# Altium PCB Audio_Blade_Mic_Array.PcbDoc (part 1 of 4) (continued)
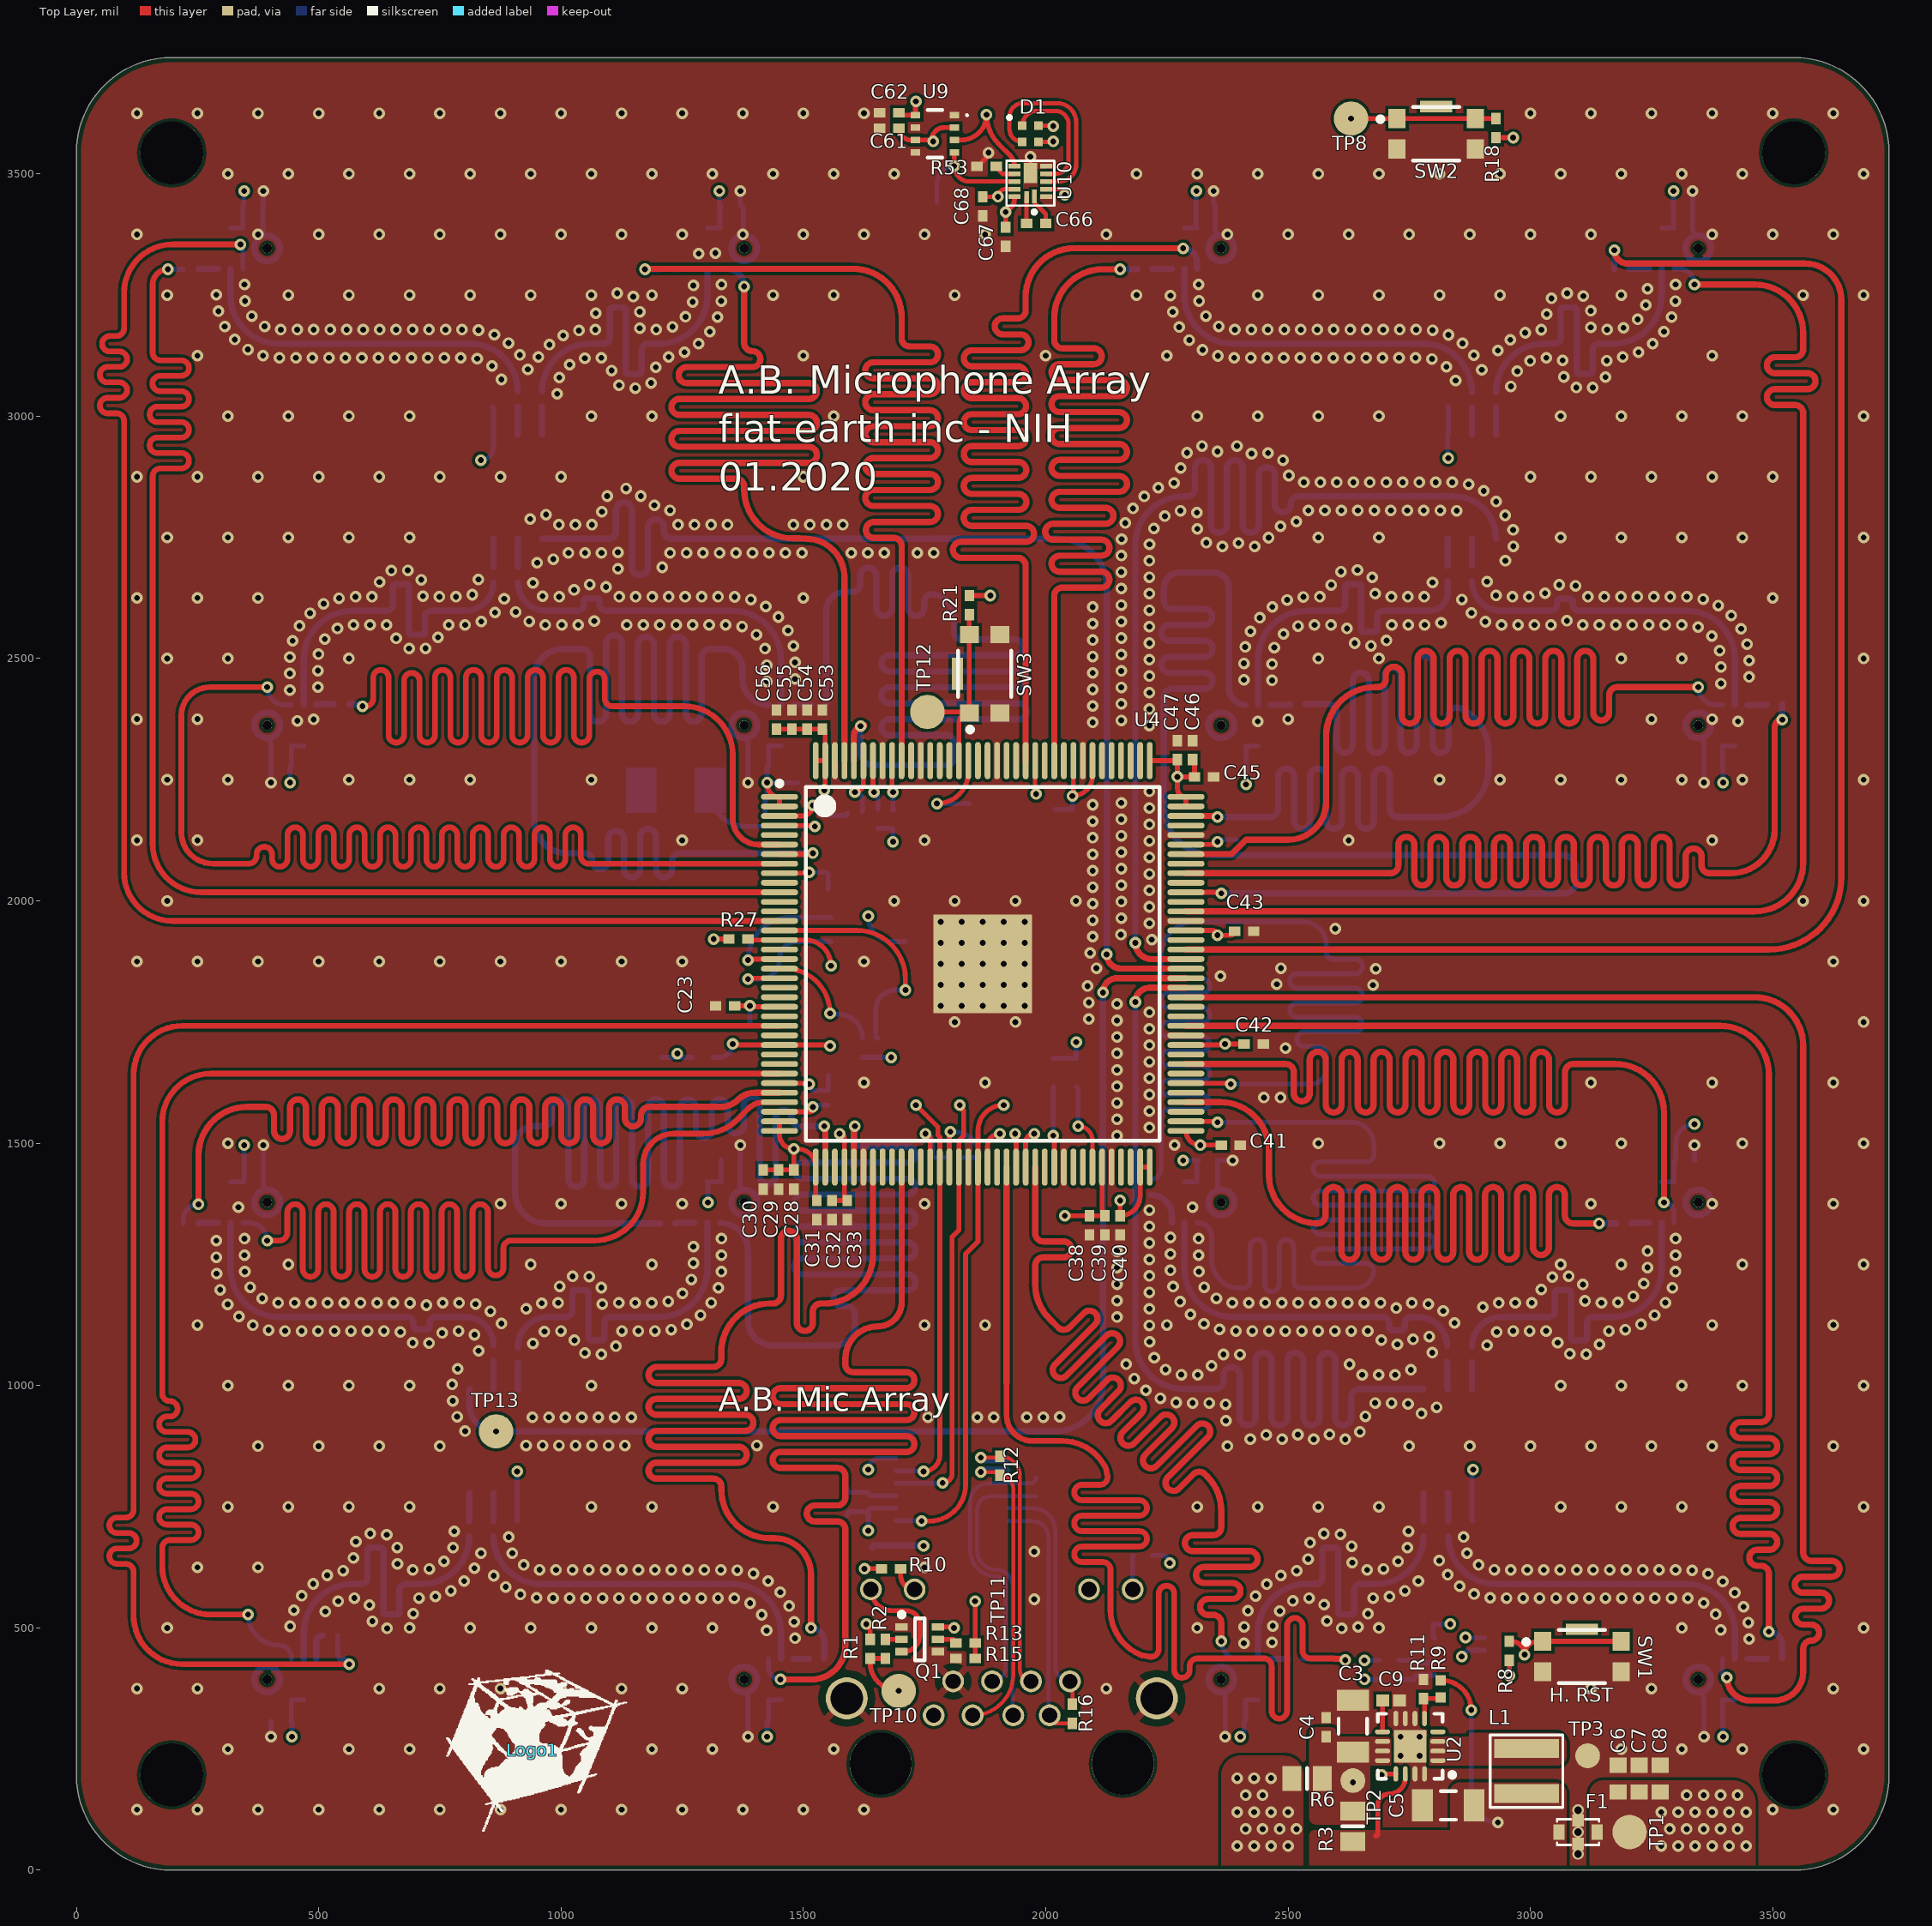
[diagram p0: Top Layer view]
## Classes and differential pairs
net class "Mic Clock Buffer": MIC_CLK_1 MIC_CLK_2 MIC_CLK_3 MIC_CLK_4
net class "Mic WS": MIC_WS_1 MIC_WS_2 MIC_WS_3 MIC_WS_4 MIC_WS_5 MIC_WS_6 MIC_WS_7 MIC_WS_8 MIC_WS_9 MIC_WS_10 MIC_WS_11 MIC_WS_12 MIC_WS_13 MIC_WS_14 MIC_WS_15 MIC_WS_16
net class "Mic SD": MIC_SD_1 MIC_SD_2 MIC_SD_3 MIC_SD_4 MIC_SD_5 MIC_SD_6 MIC_SD_7 MIC_SD_8 MIC_SD_9 MIC_SD_10 MIC_SD_11 MIC_SD_12 MIC_SD_13 MIC_SD_14 MIC_SD_15 MIC_SD_16
net class "Mic Clock": MIC_SCK_1 MIC_SCK_2 MIC_SCK_3 MIC_SCK_4 MIC_SCK_5 MIC_SCK_6 MIC_SCK_7 MIC_SCK_8 MIC_SCK_9 MIC_SCK_10 MIC_SCK_11 MIC_SCK_12 MIC_SCK_13 MIC_SCK_14 MIC_SCK_15 MIC_SCK_16
component class "RJ45 and Power Regulation": C1 C2 C3 C4 C5 C6 C7 C8 C9 C10 C11 F1 J1 L1 Q1 R1 R2 R3 R4 R5 R6 R7 R8 R9 R10 R11 R12 R13 R14 R15 R16 R17 SW1 TP1 TP2 TP3 TP4 TP5 TP6 U1 U2 U3
component class Pepherials: C58 C59 C60 C61 C62 C63 C64 C65 C66 C67 C68 C69 C70 C71 C72 C73 C74 C75 C76 C77 C78 D1 MK1 MK2 MK3 MK4 MK5 MK6 MK7 MK8 MK9 MK10 MK11 MK12 MK13 MK14 MK15 MK16 R44 R45 R46 R47 R48 R49 R50 R51 R52 R53 R54 R55 R56 R57 R58 R59 R60 U9 U10
component class "CPLD: Power & GPIO": C17 C18 C19 C20 C21 C22 C23 C24 C25 C26 C27 C28 C29 C30 C31 C32 C33 C34 C35 C36 C37 C38 C39 C40 C41 C42 C43 C44 C45 C46 C47 C48 C49 C50 C51 C52 C53 C54 C55 C56 C57 FB1 R41 R42 R43 TP15 TP16
component class "CPLD: JTAG & GPIO": C12 C13 C14 C15 C16 P1 R18 R19 R20 R21 R22 R23 R24 R25 R26 R27 R28 R29 R30 R31 R32 R33 R34 R35 R36 R37 R38 R39 R40 SW2 SW3 TP7 TP8 TP9 TP10 TP11 TP12 TP13 TP14 U4 U5 U6 U7 U8 Y1
component class "Connection Diagram": Logo1
differential pair RJ45_SDO: +RJ45_SDO_p -RJ45_SDO_n
differential pair RJ45_SDI: +RJ45_SDI_p -RJ45_SDI_n
differential pair RJ45_SCK: +RJ45_SCK_p -RJ45_SCK_n

## Components (designator, comment, footprint, x,y, rotation, side; value= is the part's Value field where it differs from the comment)
C1 "C1005X7R1H104K050BE" 2-0402_L 2779.53,507.87 r180 bottom
C2 "C1005X7R1H104K050BE" 2-0402_L 2759.84,413.39 r90 bottom
C3 "C3216X5R1V226M160AC" C1206 2633.86,297.24 r270 top
C4 "C1005X7R1H104K050BE" 2-0402_L 2578.74,295.28 r270 top
C5 "C3216X5R1V226M160AC" C1206 2830.71,133.86 r0 top
C6 "JMK107ABJ106MAHT" 3-0603_L 3181.1,188.98 r270 top
C7 "JMK107ABJ106MAHT" 3-0603_L 3224.41,188.98 r270 top
C8 "JMK107ABJ106MAHT" 3-0603_L 3267.72,188.98 r270 top
C9 "04025C332KAT2A" CAPC1005X56X25NL10T15 2712.6,350.39 r180 top
C10 "UMK105B7104KVHF" 2-0402_L 1633.86,759.84 r270 bottom
C11 "C0603C472K8RACTU" 3-0603_L 1590.55,759.84 r270 bottom
C12 "UMK105B7104KVHF" 2-0402_L 1208.66,1696.85 r270 bottom
C13 "UMK105B7104KVHF" 2-0402_L 2901.57,720.47 r180 bottom
C14 "UMK105B7104KVHF" 2-0402_L 929.13,720.47 r180 bottom
C15 "UMK105B7104KVHF" 2-0402_L 838.58,3019.69 r0 bottom
C16 "UMK105B7104KVHF" 2-0402_L 2811.02,3019.69 r0 bottom
C17 "UMK105B7104KVHF" 2-0402_L 1456.69,2263.78 r90 bottom
C18 "UMK105B7104KVHF" 2-0402_L 1488.19,2263.78 r90 bottom
C19 "UMK105B7104KVHF" 2-0402_L 1401.57,2208.66 r180 bottom
C20 "UMK105B7104KVHF" 2-0402_L 1401.57,2177.17 r180 bottom
C21 "UMK105B7104KVHF" 2-0402_L 1570.87,2055.12 r0 bottom
C22 "UMK105B7104KVHF" 2-0402_L 1570.87,2023.62 r0 bottom
C23 "UMK105B7104KVHF" 2-0402_L 1338.58,1783.46 r180 top
C24 "UMK105B7104KVHF" 2-0402_L 1389.76,1728.35 r270 bottom
C25 "UMK105B7104KVHF" 2-0402_L 1570.84,1608.47 r0 bottom
C26 "UMK105B7104KVHF" 2-0402_L 1570.84,1639.97 r0 bottom
C27 "UMK105B7104KVHF" 2-0402_L 1570.87,1578.74 r0 bottom
C28 "UMK105B7104KVHF" 2-0402_L 1480.32,1425.2 r270 top
C29 "UMK105B7104KVHF" 2-0402_L 1448.82,1425.2 r270 top
C30 "UMK105B7104KVHF" 2-0402_L 1417.32,1425.2 r270 top
C31 "UMK105B7104KVHF" 2-0402_L 1527.56,1362.2 r270 top
C32 "UMK105B7104KVHF" 2-0402_L 1559.06,1362.2 r270 top
C33 "UMK105B7104KVHF" 2-0402_L 1590.55,1362.2 r270 top
C34 "UMK105B7104KVHF" 2-0402_L 1765.75,1450.79 r270 bottom
C35 "UMK105B7104KVHF" 2-0402_L 1797.24,1450.79 r270 bottom
C36 "UMK105B7104KVHF" 2-0402_L 1828.74,1450.79 r270 bottom
C37 "UMK105B7104KVHF" 2-0402_L 1864.17,1450.79 r270 bottom
C38 "UMK105B7104KVHF" 2-0402_L 2090.55,1330.71 r270 top
C39 "UMK105B7104KVHF" 2-0402_L 2122.05,1330.71 r270 top
C40 "UMK105B7104KVHF" 2-0402_L 2153.54,1330.71 r270 top
C41 "UMK105B7104KVHF" 2-0402_L 2381.89,1496.06 r0 top
C42 "UMK105B7104KVHF" 2-0402_L 2429.13,1704.72 r0 top
C43 "UMK105B7104KVHF" 2-0402_L 2409.45,1937.01 r0 top
C44 "UMK105B7104KVHF" 2-0402_L 2413.39,2125.98 r0 bottom
C45 "UMK105B7104KVHF" 2-0402_L 2326.77,2255.91 r0 top
C46 "UMK105B7104KVHF" 2-0402_L 2303.15,2311.02 r90 top
C47 "UMK105B7104KVHF" 2-0402_L 2271.65,2311.02 r90 top
C48 "UMK105B7104KVHF" 2-0402_L 2055.12,2169.29 r270 bottom
C49 "UMK105B7104KVHF" 2-0402_L 2019.68,2169.29 r270 bottom
C50 "UMK105B7104KVHF" 2-0402_L 1842.52,2181.1 r270 bottom
C51 "UMK105B7104KVHF" 2-0402_L 1811.02,2181.1 r270 bottom
C52 "UMK105B7104KVHF" 2-0402_L 1622.05,2165.35 r270 bottom
C53 "UMK105B7104KVHF" 2-0402_L 1539.37,2374.02 r90 top
C54 "UMK105B7104KVHF" 2-0402_L 1507.87,2374.02 r90 top
C55 "UMK105B7104KVHF" 2-0402_L 1476.38,2374.02 r90 top
C56 "UMK105B7104KVHF" 2-0402_L 1444.88,2374.02 r90 top
C57 "UMK105B7104KVHF" 2-0402_L 1590.55,2161.42 r270 bottom
C58 "UMK105B7104KVHF" 2-0402_L 421.26,307.09 r0 bottom
C59 "UMK105B7104KVHF" 2-0402_L 1405.51,307.09 r0 bottom
C60 "UMK105B7104KVHF" 2-0402_L 2389.76,307.09 r0 bottom
C61 "UMK105B7104KVHF" 2-0402_L 1677.17,3594.49 r0 top
C62 "UMK105B7104KVHF" 2-0402_L 1677.17,3625.98 r0 top
C63 "UMK105B7104KVHF" 2-0402_L 3377.95,307.09 r0 bottom
C64 "UMK105B7104KVHF" 2-0402_L 366.14,1464.57 r180 bottom
C65 "UMK105B7104KVHF" 2-0402_L 1349.69,1465 r180 bottom
C66 "C1005X7R1E224K050BB" 2-0402_L 1980.32,3397.64 r180 top
C67 "CGB2A1X5R1A105K033BC" 2-0402_L 1917.32,3370.08 r90 top
C68 "CGB2A1X5R1A105K033BC" 2-0402_L 1870.08,3433.07 r270 top
C69 "UMK105B7104KVHF" 2-0402_L 2334.65,1464.57 r180 bottom
C70 "UMK105B7104KVHF" 2-0402_L 3320,1465 r180 bottom
C71 "UMK105B7104KVHF" 2-0402_L 421.26,2275.59 r0 bottom
C72 "UMK105B7104KVHF" 2-0402_L 1405.51,2275.59 r0 bottom
C73 "UMK105B7104KVHF" 2-0402_L 2393.7,2275.59 r0 bottom
C74 "UMK105B7104KVHF" 2-0402_L 3377.95,2275.59 r0 bottom
C75 "UMK105B7104KVHF" 2-0402_L 365,3435 r180 bottom
C76 "UMK105B7104KVHF" 2-0402_L 1350,3435 r180 bottom
C77 "UMK105B7104KVHF" 2-0402_L 2330,3435 r180 bottom
C78 "UMK105B7104KVHF" 2-0402_L 3315,3435 r180 bottom
D1 "LED TRI TOP FIRING 1.0 X 1.0" CL-505S 1968.5,3582.68 r0 top
F1 "NFM21PC" NFM21PC 3098.43,78.74 r0 top
FB1 "BLM31PG500SN1L" MURA-BLM31-B35-CHIP-2_V1 1236.22,2228.35 r0 bottom
J1 "CONN MOD JACK 8P8C R/A SHIELDED" RJ45 1909.45,389.76 r180 bottom
L1 "2.2uH Ind" XFL4020 2992.13,204.72 r270 top
Logo1 "FE_LOGO" feLogo_medium_silk 940.94,248.03 r0 top
MK1 "ICS-52000" MIC_ICS-52000 393.7,393.7 r90 bottom
MK2 "ICS-52000" MIC_ICS-52000 1377.95,393.7 r90 bottom
MK3 "ICS-52000" MIC_ICS-52000 2362.2,393.7 r90 bottom
MK4 "ICS-52000" MIC_ICS-52000 3346.46,393.7 r90 bottom
MK5 "ICS-52000" MIC_ICS-52000 393.7,1377.95 r270 bottom
MK6 "ICS-52000" MIC_ICS-52000 1377.95,1377.95 r270 bottom
MK7 "ICS-52000" MIC_ICS-52000 2362.2,1377.95 r270 bottom
MK8 "ICS-52000" MIC_ICS-52000 3346.46,1377.95 r270 bottom
MK9 "ICS-52000" MIC_ICS-52000 393.7,2362.2 r90 bottom
MK10 "ICS-52000" MIC_ICS-52000 1377.95,2362.2 r90 bottom
MK11 "ICS-52000" MIC_ICS-52000 2362.2,2362.2 r90 bottom
MK12 "ICS-52000" MIC_ICS-52000 3346.46,2362.2 r90 bottom
MK13 "ICS-52000" MIC_ICS-52000 393.7,3346.46 r270 bottom
MK14 "ICS-52000" MIC_ICS-52000 1377.95,3346.46 r270 bottom
MK15 "ICS-52000" MIC_ICS-52000 2362.2,3346.46 r270 bottom
MK16 "ICS-52000" MIC_ICS-52000 3346.46,3346.46 r270 bottom
P1 "FTSH-105-01-F-DV" HDR_2x5-SMD-1.27mm-K 1633.86,1866.14 r270 bottom
Q1 "MBT3904DW1T1" ADI-KS-6_SC70_L 1740.16,476.38 r0 top
R1 "ERJ-2RKF1003X" 2-0402_R_L 1637.8,456.69 r90 top
R2 "ERJ-2RKF1002X" 2-0402_R_L 1669.29,456.69 r270 top
R3 "ERJ-6GEY0R00V" 6-0805_R_L 2633.86,90.55 r270 top
R4 "ERJ-2RKF10R0X" 2-0402_R_L 2708.66,393.7 r0 bottom
R5 "ERJ-2RKF10R0X" 2-0402_R_L 2708.66,433.07 r0 bottom
R6 "ERJ-6DSFR10V" 6-0805_R_L 2539.37,188.98 r180 top
R7 "ERJ-2RKF4990X" 2-0402_R_L 2200.79,649.61 r0 bottom
R8 "ERJ-2RKF1002X" 2-0402_R_L 2956.69,452.76 r270 top
R9 "ERJ-2RKF2873X" RESC1005X40X25NL05T05 2814.96,374.02 r90 top
R10 "ERJ-2RKF4990X" 2-0402_R_L 1681.1,622.05 r180 top
R11 "ERJ-2RKF1003X" 2-0402_R_L 2779.53,374.02 r270 top
R12 "ERJ-2RKF1000X" 2-0402_R_L 1905.51,834.65 r90 top
R13 "ERJ-2RKF1002X" 2-0402_R_L 1834.65,468.5 r0 top
R14 "ERJ-2RKF1000X" 2-0402_R_L 1980.32,791.34 r90 bottom
R15 "ERJ-2RKF1003X" 2-0402_R_L 1834.65,437.01 r0 top
R16 "ERJ-2RKF1000X" 2-0402_R_L 2055.12,322.83 r90 top
R17 "ERJ-2RKF1002X" 2-0402_R_L 1622.05,665.35 r0 bottom
R18 "ERJ-2RKF1001X" 2-0402_R_L 2929.13,3594.49 r270 top
R19 "ERJ-2RKF1001X" 2-0402_R_L 1685.04,2169.29 r270 bottom
R20 "ERJ-2RKF1001X" 2-0402_R_L 1653.54,2169.29 r270 bottom
R21 "ERJ-2RKF1001X" 2-0402_R_L 1842.52,2610.24 r90 top
R22 "ERJ2RKF33R0X" RESC1005X40X25LL05T05 2828.05,1065.65 r270 bottom
R23 "ERJ2RKF33R0X" RESC1005X40X25LL05T05 2879.33,1064.37 r270 bottom
R24 "ERJ2RKF33R0X" RESC1005X40X25LL05T05 2830.71,704.72 r90 bottom
R25 "ERJ2RKF33R0X" RESC1005X40X25LL05T05 2779.53,704.72 r90 bottom
R26 "ERJ2RKF33R0X" RESC1005X40X25LL05T05 860.83,1066.93 r270 bottom
R27 "ERJ-2RKF1002X" 2-0402_R_L 1366.14,1921.26 r180 top
R28 "ERJ-2RKF1002X" 2-0402_R_L 1622.05,1696.85 r270 bottom
R29 "ERJ-2RKF1002X" 2-0402_R_L 1653.54,1696.85 r270 bottom
R30 "ERJ2RKF33R0X" RESC1005X40X25LL05T05 910.83,1062.99 r270 bottom
R31 "ERJ2RKF33R0X" RESC1005X40X25LL05T05 860.83,704.72 r90 bottom
R32 "ERJ2RKF33R0X" RESC1005X40X25LL05T05 810.83,704.72 r90 bottom
R33 "ERJ2RKF33R0X" RESC1005X40X25LL05T05 910.83,2673.23 r90 bottom
R34 "ERJ2RKF33R0X" RESC1005X40X25LL05T05 860.83,2673.23 r90 bottom
R35 "ERJ2RKF33R0X" RESC1005X40X25LL05T05 910.83,3035.43 r270 bottom
R36 "ERJ2RKF33R0X" RESC1005X40X25LL05T05 960.83,3035.43 r270 bottom
R37 "ERJ2RKF33R0X" RESC1005X40X25LL05T05 2879.33,2675.79 r90 bottom
R38 "ERJ2RKF33R0X" RESC1005X40X25LL05T05 2829.33,2675.79 r90 bottom
R39 "ERJ2RKF33R0X" RESC1005X40X25LL05T05 2879.33,3034.06 r270 bottom
R40 "ERJ2RKF33R0X" RESC1005X40X25LL05T05 2929.13,3034.05 r270 bottom
R41 "ERJ-3EKF4701V" 3-0603_R_L 2062.99,1645.67 r90 bottom
R42 "ERJ-3EKF4701V" 3-0603_R_L 2015.75,1645.67 r90 bottom
R43 "ERJ-2GE0R00X" RESC1005X40X25LL05T10 1555.12,2161.42 r90 bottom
R44 "ERJ-2RKF20R0X" RESC1005X40X25LL05T05 523.62,484.25 r180 bottom
R45 "ERJ-2RKF20R0X" RESC1005X40X25LL05T05 1527.56,437.01 r180 bottom
R46 "ERJ-2RKF20R0X" RESC1005X40X25LL05T05 2515.75,437.01 r180 bottom
R47 "ERJ-2RKF20R0X" RESC1005X40X25LL05T05 3503.94,437.01 r180 bottom
R48 "ERJ-2RKF20R0X" RESC1005X40X25LL05T05 236.22,1334.65 r0 bottom
R49 "ERJ-2RKF20R0X" RESC1005X40X25LL05T05 1220.47,1334.65 r0 bottom
R50 "ERJ-2RKF20R0X" RESC1005X40X25LL05T05 2216.54,1409.45 r270 bottom
R51 "ERJ-2RKF20R0X" RESC1005X40X25LL05T05 3192.91,1334.65 r0 bottom
R52 "ERJ-2RKF20R0X" RESC1005X40X25LL05T05 547.24,2405.51 r180 bottom
R53 "ERJ-2GEJ623X" 2-0402_R_L 1877.95,3515.75 r0 top
R54 "ERJ-2RKF20R0X" RESC1005X40X25LL05T05 1531.5,2405.51 r180 bottom
R55 "ERJ-2RKF20R0X" RESC1005X40X25LL05T05 2519.68,2405.51 r180 bottom
R56 "ERJ-2RKF20R0X" RESC1005X40X25LL05T05 3503.94,2405.51 r180 bottom
R57 "ERJ-2RKF20R0X" RESC1005X40X25LL05T05 236.22,3303.15 r0 bottom
R58 "ERJ-2RKF20R0X" RESC1005X40X25LL05T05 1220.47,3303.15 r0 bottom
R59 "ERJ-2RKF20R0X" RESC1005X40X25LL05T05 2204.72,3303.15 r0 bottom
R60 "ERJ-2RKF20R0X" RESC1005X40X25LL05T05 3188.98,3303.15 r0 bottom
SW1 "SPST-NO" CKCP-KMR231GLFS 3106.3,440.94 r0 top
SW2 "SPST-NO" CKCP-KMR231GLFS 2805.56,3582.68 r0 top
SW3 "SPST-NO" CKCP-KMR231GLFS 1874.02,2468.5 r90 top
TP1 "Testpoint" Testpoint_SMT#1 3204.72,78.74 r0 top
TP2 "Testpoint" Testpoint_SMT2 2633.86,185.04 r90 top
TP3 "Testpoint" Testpoint_SMT2 3118.11,236.22 r90 top
TP4 "Testpoint" Testpoint_SMT#1 1732.28,1578.74 r90 bottom
TP5 "Testpoint" Testpoint_SMT#1 1822.83,1578.74 r90 bottom
TP6 "Testpoint" Testpoint_SMT#1 1913.39,1578.74 r90 bottom
TP7 "Testpoint" Testpoint_SMT#1 1555.12,1700.79 r90 bottom
TP8 "Testpoint" Testpoint_SMT#1 2629.92,3614.17 r90 top
TP9 "Testpoint" Testpoint_SMT#1 354.33,527.56 r90 bottom
TP10 "Testpoint" Testpoint_SMT#1 1696.85,370.08 r90 top
TP11 "Testpoint" Testpoint_SMT#2 1854.33,555.12 r90 top
TP12 "Testpoint" Testpoint_SMT#1 1755.91,2389.76 r90 top
TP13 "Testpoint" Testpoint_SMT#1 866.14,905.51 r90 top
TP14 "Testpoint" Testpoint_SMT#1 559.06,417.32 r90 bottom
TP15 "Testpoint" Testpoint_SMT#1 1877.95,3622.05 r90 bottom
TP16 "Testpoint" Testpoint_SMT#1 1775.59,3440.94 r90 bottom
U1 "INA219AIDCNR" SOT23-8 2854.33,440.94 r0 bottom
U2 "TPS62150ARGTT" QFN50P300X300X100_HS-17N 2751.97,255.91 r180 top
U3 "SN65LVDS049PWR" TSOP65P640X120-16N 1807.09,759.84 r180 bottom
U4 "10M08SAE144C8G" ALTR-EQFP144_A165_D2-500_M 1870.08,1870.08 r0 top
U5 "PL123-05NSC-R" SOP127P600X175-8N 2854.33,885.83 r270 bottom
U6 "PL123-05NSC-R" SOP127P600X175-8N 885.83,885.83 r270 bottom
U7 "PL123-05NSC-R" SOP127P600X175-8N 885.83,2854.33 r90 bottom
U8 "PL123-05NSC-R" SOP127P600X175-8N 2854.33,2854.33 r90 bottom
U9 "BME280" BOSC-BME280-8_V 1771.65,3582.68 r0 top
U10 "IC LED DRIVER RGLTR 30MA 12LLGA" 513AA 1968.5,3484.25 r90 top
Y1 "ASCO-50.000MHZ-EK-T3" ABRA-ASCO-50.000MHZ-EK-T3-4_V 1292.32,1692.91 r0 bottom

## Footprints (in the part's own frame and the unit in brackets; to place one, negate y for a bottom-side part, rotate by r counter-clockwise, add the part's x,y. Pads: shape width x height; smd on the part's side, far side on the other; paste and mask are expansions set on the pad)
2-0402_L [mm] "Chip Capacitor, Body 1.0x0.5mm, IPC High Density"
  rect 0.6x0.5 smd: 1(-0.5,0) 2(0.5,0)
  body extent -0.5,-0.25 0.5,0.25, height 0.6
2-0402_R_L [mm] "Chip Resistor, Body 1.0x0.5mm, IPC High Density"
  rect 0.6x0.5 smd: 1(-0.5,0) 2(0.5,0)
  body extent -0.5,-0.25 0.5,0.25, height 0.35
3-0603_L [mm] "Chip Capacitor, Body 1.6x0.8mm, IPC High Density"
  rect 0.8x0.9 smd: 1(-0.7,0) 2(0.7,0)
  body extent -0.8,-0.4 0.8,0.4, height 0.9
3-0603_R_L [mm] "Chip Resistor, Body 1.6x0.8mm, IPC High Density"
  rect 0.7x0.9 smd: 1(-0.75,0) 2(0.75,0)
  silkscreen extent -0.2,-0.35 0.2,0.35, body extent -0.77,-0.42 0.78,0.43, height 0.45
6-0805_R_L [mm] "Chip Resistor, Body 2.0x1.2mm, IPC High Density"
  rect 1x1.3 smd: 1(-0.8,0) 2(0.8,0)
  silkscreen extent 0,-0.55 0,0.55, body extent -1,-0.62 1,0.63, height 0.45
513AA [mm] "LLGA12, 2x2, CASE 513AA"
  rect 0.73x0.25 smd mask+0.025: 1(-0.785,-0.2)
  rect 0.25x0.63 smd mask+0.025: 2(-0.8,-0.835) 3(-0.4,-0.835) 4(0,-0.835) 5(0.4,-0.835) 6(0.8,-0.835) 7(0.8,0.835) 8(0.4,0.835) 9(0,0.835) 10(-0.4,0.835) 11(-0.8,0.835)
  rect 0.63x0.25 smd mask+0.025: 12(-0.835,0.2)
  rect 1.06x0.7 smd mask+0.025: 13(0.45,0)
  silkscreen extent -1.66,-1.25 1.08,1.25, body extent -1,-1 1,1, height 0.49
ABRA-ASCO-50.000MHZ-EK-T3-4_V [mm] "Hand Drawn, 4-Leads, Body 1.6x1.2mm"
  rect 0.6x0.5 smd: 1(-0.55,-0.4) 2(0.55,-0.4) 3(0.55,0.4) 4(-0.55,0.4)
  silkscreen extent -1.52,-0.52 -1.27,-0.28, body extent -0.8,-0.6 0.8,0.6, height 0.7
ADI-KS-6_SC70_L [mm] "SOT363, 6-Leads, Body 2x1.3mm, Pitch 0.65mm, Lead Span 2.1mm, IPC High Density"
  rect 0.65x0.4 smd mask+0.051: 1(-0.95,0.65) 2(-0.95,0) 3(-0.95,-0.65) 4(0.95,-0.65) 5(0.95,0) 6(0.95,0.65)
  silkscreen extent -1.07,-1.1 0.25,1.42, body extent -1.05,-1 1.05,1, height 0.93
ALTR-EQFP144_A165_D2-500_M [mm] "QFP, 144-Leads, Body 20x20mm, Pitch 0.5mm, Thermal Pad 5.15x5.15mm, IPC Low Density"
  oval 1.95x0.3 smd: 1(-10.65,8.75) 2(-10.65,8.25) 3(-10.65,7.75) 4(-10.65,7.25) 5(-10.65,6.75) 6(-10.65,6.25) 7(-10.65,5.75) 8(-10.65,5.25) 9(-10.65,4.75) 10(-10.65,4.25) 11(-10.65,3.75) 12(-10.65,3.25) 13(-10.65,2.75) 14(-10.65,2.25) 15(-10.65,1.75) 16(-10.65,1.25) 17(-10.65,0.75) 18(-10.65,0.25) 19(-10.65,-0.25) 20(-10.65,-0.75) 21(-10.65,-1.25) 22(-10.65,-1.75) 23(-10.65,-2.25) 24(-10.65,-2.75) 25(-10.65,-3.25) 26(-10.65,-3.75) 27(-10.65,-4.25) 28(-10.65,-4.75) 29(-10.65,-5.25) 30(-10.65,-5.75) 31(-10.65,-6.25) 32(-10.65,-6.75) 33(-10.65,-7.25) 34(-10.65,-7.75) 35(-10.65,-8.25) 36(-10.65,-8.75) 73(10.65,-8.75) 74(10.65,-8.25) 75(10.65,-7.75) 76(10.65,-7.25) 77(10.65,-6.75) 78(10.65,-6.25) 79(10.65,-5.75) 80(10.65,-5.25) 81(10.65,-4.75) 82(10.65,-4.25) 83(10.65,-3.75) 84(10.65,-3.25) 85(10.65,-2.75) 86(10.65,-2.25) 87(10.65,-1.75) 88(10.65,-1.25) 89(10.65,-0.75) 90(10.65,-0.25) 91(10.65,0.25) 92(10.65,0.75) 93(10.65,1.25) 94(10.65,1.75) 95(10.65,2.25) 96(10.65,2.75) 97(10.65,3.25) 98(10.65,3.75) 99(10.65,4.25) 100(10.65,4.75) 101(10.65,5.25) 102(10.65,5.75) 103(10.65,6.25) 104(10.65,6.75) 105(10.65,7.25) 106(10.65,7.75) 107(10.65,8.25) 108(10.65,8.75)
  oval 0.3x1.95 smd: 37(-8.75,-10.65) 38(-8.25,-10.65) 39(-7.75,-10.65) 40(-7.25,-10.65) 41(-6.75,-10.65) 42(-6.25,-10.65) 43(-5.75,-10.65) 44(-5.25,-10.65) 45(-4.75,-10.65) 46(-4.25,-10.65) 47(-3.75,-10.65) 48(-3.25,-10.65) 49(-2.75,-10.65) 50(-2.25,-10.65) 51(-1.75,-10.65) 52(-1.25,-10.65) 53(-0.75,-10.65) 54(-0.25,-10.65) 55(0.25,-10.65) 56(0.75,-10.65) 57(1.25,-10.65) 58(1.75,-10.65) 59(2.25,-10.65) 60(2.75,-10.65) 61(3.25,-10.65) 62(3.75,-10.65) 63(4.25,-10.65) 64(4.75,-10.65) 65(5.25,-10.65) 66(5.75,-10.65) 67(6.25,-10.65) 68(6.75,-10.65) 69(7.25,-10.65) 70(7.75,-10.65) 71(8.25,-10.65) 72(8.75,-10.65) 109(8.75,10.65) 110(8.25,10.65) 111(7.75,10.65) 112(7.25,10.65) 113(6.75,10.65) 114(6.25,10.65) 115(5.75,10.65) 116(5.25,10.65) 117(4.75,10.65) 118(4.25,10.65) 119(3.75,10.65) 120(3.25,10.65) 121(2.75,10.65) 122(2.25,10.65) 123(1.75,10.65) 124(1.25,10.65) 125(0.75,10.65) 126(0.25,10.65) 127(-0.25,10.65) 128(-0.75,10.65) 129(-1.25,10.65) 130(-1.75,10.65) 131(-2.25,10.65) 132(-2.75,10.65) 133(-3.25,10.65) 134(-3.75,10.65) 135(-4.25,10.65) 136(-4.75,10.65) 137(-5.25,10.65) 138(-5.75,10.65) 139(-6.25,10.65) 140(-6.75,10.65) 141(-7.25,10.65) 142(-7.75,10.65) 143(-8.25,10.65) 144(-8.75,10.65)
  rect 5.15x5.15 smd: 145(0,0)
  silkscreen extent -10.77,-9.28 9.28,9.57, body extent -10,-10 10,10, height 1.65
BOSC-BME280-8_V [mm] "SMD, 8-Leads, Body 2.5x2.5mm, Pitch 0.65mm"
  rect 0.5x0.35 smd: 1(1.025,0.975) 2(1.025,0.325) 3(1.025,-0.325) 4(1.025,-0.975) 5(-1.025,-0.975) 6(-1.025,-0.325) 7(-1.025,0.325) 8(-1.025,0.975)
  silkscreen extent -0.39,-1.25 1.73,1.25, body extent -1.25,-1.25 1.25,1.25, height 1
C1206 [mm] "Chip Capacitor, Body 3.2x1.6mm, IPC High Density"
  rect 1.1x1.7 smd: 1(-1.35,0) 2(1.35,0)
  silkscreen extent -0.4,-0.75 0.4,0.75, body extent -1.6,-0.8 1.6,0.8, height 1
CAPC1005X56X25NL10T15 [mm] "Chip Capacitor, 2-Leads, Body 1.00x0.50mm, IPC Medium Density"
  rect 0.68x0.64 smd: 1(-0.44,0) 2(0.44,0)
  body extent -0.55,-0.3 0.55,0.3, height 0.56
CKCP-KMR231GLFS [mm] "SMD, 4-Leads, Body 4.6x2.8mm"
  rect 0.9x1 smd: 1(-2.05,0.8) 2(-2.05,-0.8) 3(2.05,-0.8) 4(2.05,0.8)
  rect 1.7x0.6 smd: 5(0,1.425)
  silkscreen extent -3.05,-1.4 1.21,1.4, body extent -2.3,-1.4 2.3,1.4, height 1.92
CL-505S [mm] "RGB SMT LED"
  rect 0.45x0.45 smd: 1(-0.425,-0.425) 2(-0.425,0.425) 3(0.425,0.425) 4(0.425,-0.425)
  silkscreen extent -1.15,0.8 -1.05,0.9, body extent -0.5,-0.5 0.5,0.5, height 0.26
feLogo_medium_silk [mil] "FlatEarth medium logo Silkscreen"
  silkscreen extent -176,-166 194,164
HDR_2x5-SMD-1.27mm-K [mm]
  rect 0.76x2.4 smd: 1(-2.54,-1.95) 2(-2.54,1.95) 3(-1.27,-1.95) 4(-1.27,1.95) 5(0,-1.95) 6(0,1.95) 7(1.27,-1.95) 8(1.27,1.95) 9(2.54,-1.95) 10(2.54,1.95)
  silkscreen extent -3.18,-3.4 3.18,3.4, body extent -3.14,-2.92 3.14,2.92, height 6.11
MIC_ICS-52000 [mm]
  rect 0.6x0.4 smd: 1(-1.075,2.575) 2(-1.075,1.925) 3(-1.075,1.275) 5(1.075,1.275) 6(1.075,1.925) 7(1.075,2.575)
  rect 0.1x0.1 smd: 4(0.675,0)
  round 0.5 hole 0.5 unplated: None(0,0)
  Top Layer region: 252 vertices and 0 holes, not listed, extent -0.82,-0.825 0.82,0.825
  Top Layer region: -0.524,-0.001 -0.524,-0.001 -0.524,-0.001 -0.524,-0.001 -0.524,-0.001 -0.524,-0.001 -0.524,-0.001 -0.524,-0.001 -0.524,-0.001 -0.524,-0.001 -0.524,-0.001 -0.524,-0.001 -0.524,-0.001 -0.524,-0.001 -0.524,-0.001 -0.524,-0.001 -0.524,-0.001 -0.524,-0.001 -0.524,-0.001 -0.524,-0.001 -0.524,-0.001 -0.524,-0.001 -0.524,-0.001 -0.524,-0.001 -0.524,-0.001 -0.524,-0.001 -0.524,-0.001 -0.524,-0.001 -0.524,-0.001 -0.524,-0.001 -0.524,-0.001 -0.524,-0.001
  silkscreen extent -2.05,-1.1 1.5,2.9, body extent -1.5,-1.1 1.5,2.9, height 1.1
MURA-BLM31-B35-CHIP-2_V1 [mm] "Chip Ferrite Bead, 2-Leads, Body 3.2x1.6mm, Height 1.3mm, 18um Land Pad Thickness, 3.5A Rated Current"
  rect 1.6x1.2 smd mask+0: 1(-1.8,0) 2(1.8,0)
  Top Layer region: 2.6,-1.2 1,-1.2 1,1.2 2.6,1.2
  Top Layer region: -2.6,1.2 -1,1.2 -1,-1.2 -2.6,-1.2
  body extent -1.6,-0.8 1.6,0.8, height 1.3
NFM21PC [mm] "Chip EMIFIL, 4-Leads, Body 2.0x1.3mm, IPC High Density"
  rect 0.6x0.8 smd: 1(-1,0) 3(1,0)
  rect 0.6x0.65 smd mask+0: 2(0,-0.625) 2(0,0.625)
  silkscreen extent -1.1,-0.67 1.1,0.67, body extent -1,-0.62 1,0.63, height 0.85
QFN50P300X300X100_HS-17N [mm] "QFN, 16-Leads, Body 3.00x3.00mm, Pitch 0.50mm, Thermal Pad 1.70x1.70mm, IPC Medium Density"
  oval 0.8x0.25 smd: 1(-1.45,0.75) 2(-1.45,0.25) 3(-1.45,-0.25) 4(-1.45,-0.75) 9(1.45,-0.75) 10(1.45,-0.25) 11(1.45,0.25) 12(1.45,0.75)
  oval 0.25x0.8 smd: 5(-0.75,-1.45) 6(-0.25,-1.45) 7(0.25,-1.45) 8(0.75,-1.45) 13(0.75,1.45) 14(0.25,1.45) 15(-0.25,1.45) 16(-0.75,1.45)
  rect 1.7x1.7 smd: 17(0,0)
  silkscreen extent -2.32,-1.7 1.7,1.7, body extent -1.55,-1.55 1.55,1.55, height 1
RESC1005X40X25LL05T05 [mm] "Chip Resistor, 2-Leads, Body 1.00x0.50mm, IPC High Density"
  rect 0.45x0.45 smd: 1(-0.4,0) 2(0.4,0)
  body extent -0.53,-0.27 0.53,0.28, height 0.4
RESC1005X40X25LL05T10 [mm] "Chip Resistor, 2-Leads, Body 1.00x0.50mm, IPC High Density"
  rect 0.5x0.45 smd: 1(-0.375,0) 2(0.375,0)
  body extent -0.53,-0.27 0.53,0.28, height 0.4
RESC1005X40X25NL05T05 [mm] "Chip Resistor, 2-Leads, Body 1.00x0.50mm, IPC Medium Density"
  rect 0.55x0.55 smd: 1(-0.45,0) 2(0.45,0)
  body extent -0.53,-0.27 0.53,0.28, height 0.4
RJ45 [mm] "RJ45 Ethernet Connector"
  round 1.14 hole 0.8: 1(3.57,-1.78) 2(2.55,0) 3(1.53,-1.78) 4(0.51,0) 5(-0.6,-1.78) 6(-1.53,0) 7(-2.51,-1.78) 8(-3.57,0) 9(-6.86,4.82) 10(-4.57,4.82) 11(4.57,4.82) 12(6.86,4.82)
  round 2.2 hole 1.7: 13(-8.125,-0.89) 13(8.125,-0.89)
  round 3.25 hole 3.25 unplated: 14(-6.35,-4.32) 14(6.35,-4.32)
  silkscreen extent -8.25,-9.5 8.25,5.97, body extent -9.88,-10.19 9.88,6.26, height 15.13
SOP127P600X175-8N [mm] "SOP, 8-Leads, Body 4.90x3.90mm, Pitch 1.27mm, IPC Medium Density"
  oval 1.45x0.65 smd: 1(-2.725,1.905) 2(-2.725,0.635) 3(-2.725,-0.635) 4(-2.725,-1.905) 5(2.725,-1.905) 6(2.725,-0.635) 7(2.725,0.635) 8(2.725,1.905)
  silkscreen extent -2.85,-2.5 1.6,2.9, body extent -3,-2.5 3,2.5, height 1.75
SOT23-8 [mm] "SOT23, 6-Leads, Body 2.9x1.6mm, Pitch 0.65mm, Lead Span 1.95mm"
  rect 1.1x0.45 smd mask+0.051: 1(-1.3,0.975) 2(-1.3,0.325) 3(-1.3,-0.325) 4(-1.3,-0.975) 5(1.3,-0.975) 6(1.3,-0.325) 7(1.3,0.325) 8(1.3,0.975)
  silkscreen extent -1.32,-1.55 0.25,1.95, body extent -1.4,-1.49 1.4,1.45, height 1.2
Testpoint_SMT#1 [mm] "Testpoint; 1 Position; 1.8 mm diameter"
  round 1.8 smd paste-1: 1(0,0)
Testpoint_SMT#2 [mm] "Testpoint; 1 Position; 1.8 mm diameter"
  round 1.8 smd far side paste-1: 1(0,0)
Testpoint_SMT2 [mm] "Testpoint; 1 Position; 1.3 mm diameter"
  round 1.3 smd paste-1: 1(0,0)
TSOP65P640X120-16N [mm] "TSOP, 16-Leads, Body 5.00x4.40mm, Pitch 0.65mm, IPC Medium Density"
  oval 1.4x0.45 smd: 1(-2.95,2.275) 2(-2.95,1.625) 3(-2.95,0.975) 4(-2.95,0.325) 5(-2.95,-0.325) 6(-2.95,-0.975) 7(-2.95,-1.625) 8(-2.95,-2.275) 9(2.95,-2.275) 10(2.95,-1.625) 11(2.95,-0.975) 12(2.95,-0.325) 13(2.95,0.325) 14(2.95,0.975) 15(2.95,1.625) 16(2.95,2.275)
  silkscreen extent -3.08,-2.55 1.85,3.17, body extent -2.25,-2.55 2.25,2.55, height 1.2